# Allegro board WNS_FDM_2V1-1221P2.brd (continued)
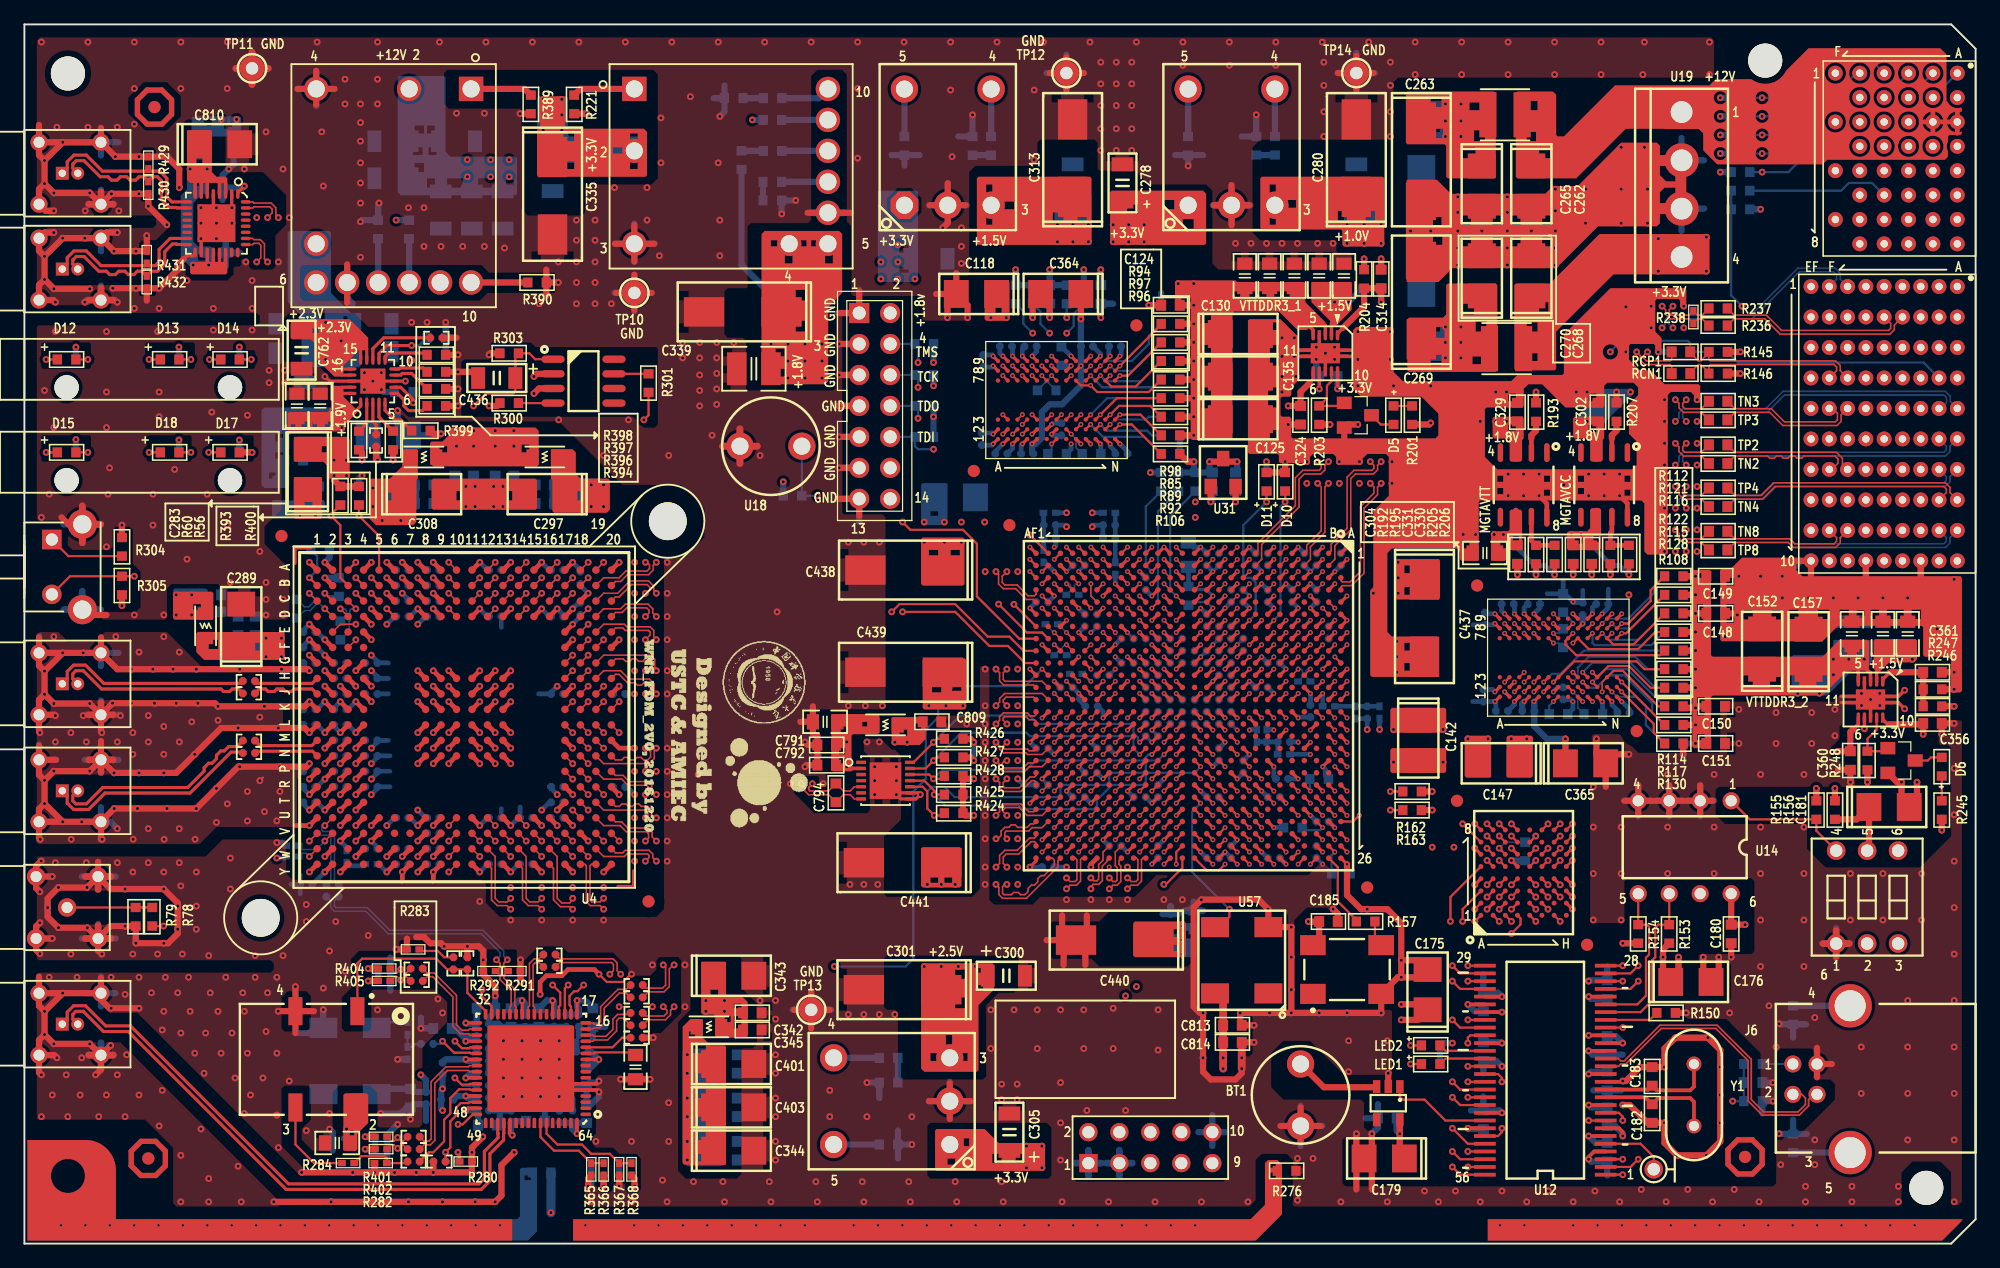
[diagram p0: board, top side]
## Routing (per net, layer and track width the routed paths; a pad name or vN(x,y) marks a point on that pad's centre or on a via; arc(x,y) is an arc through that point) (continued)
  ART03 w0.5: TP14.1 110.54,96.01 ; TP14.1 107.9,96.01 ; TP14.1 109.22,94.69 ; TP14.1 109.22,97.33 ; J14.10 98.46,9.14 ; J14.10 97.41,8.09 ; J14.10 97.41,10.2 ; 58.67,63.98 U18.1 ; U18.1 60.1,65.41 ; U18.1 58.67,66.83 ; U18.1 57.25,65.41 ; 74.46,11.68 U27.2 ; U27.2 77.3,11.68 ; U27.2 75.88,10.26 ; U27.2 75.88,13.11 ; J16.5 7.28,82.47 ; J16.5 6.28,81.47 ; J16.5 5.28,82.47 ; U32.3 51.32,82.01 ; U32.3 50.01,83.31 ; U32.3 48.71,82.01 ; 134.87,35.32 U14.3 ; U14.3 133.87,36.32 ; U14.3 135.88,36.32 ; U14.3 134.87,37.33 ; 6.04,23.98 J4.2 ; J4.2 7.09,25.03 ; J4.2 4.99,25.03 ; J4.2 6.04,26.08 ; 3.25,52 U63.4 ; U63.4 6.25,52 ; U63.4 4.75,53.5 ; TP11.1 18.67,97.71 ; TP11.1 17.35,96.39 ; TP11.1 18.67,95.07 ; TP11.1 19.99,96.39 ; J4.5 7.09,30.11 ; J4.5 4.99,30.11 ; J4.5 6.04,31.16 ; J4.5 6.04,29.06 ; 6.28,89.33 J15.5 ; J15.5 5.28,90.33 ; J15.5 6.28,91.34 ; J15.5 7.28,90.33 ; 6.28,14.46 J11.4 ; J11.4 6.28,16.47 ; J11.4 7.28,15.46 ; J11.4 5.28,15.46 ; U63.3 6.25,59 ; U63.3 4.75,57.49 ; U63.3 3.25,59 ; U63.3 4.75,60.5 ; SW1.1 148.56,25.68 ; SW1.1 149.63,24.61 ; SW1.1 148.56,23.55 ; SW1.1 147.5,24.61 ; 132.33,35.32 U14.4 ; U14.4 131.33,36.32 ; U14.4 132.33,37.33 ; U14.4 133.34,36.32 ; U19.3 137.59,84.89 ; U19.3 135.89,86.59 ; U19.3 135.89,83.18 ; U19.3 134.19,84.89 ; 5.28,48.45 J8.5 ; J8.5 6.28,47.45 ; J8.5 7.28,48.45 ; J8.5 6.28,49.46 ; 5.28,39.68 J9.5 ; J9.5 6.28,38.67 ; J9.5 6.28,40.68 ; J9.5 7.28,39.68 ; U14.2 138.42,36.32 ; U14.2 137.41,37.33 ; U14.2 137.41,35.32 ; U14.2 136.41,36.32 ; 22.62,94.71 U58.3 ; U58.3 25.23,94.71 ; U58.3 23.93,93.4 ; U58.3 23.93,96.01 ; TP12.1 85.45,97.33 ; TP12.1 86.77,96.01 ; TP12.1 85.45,94.69 ; TP12.1 84.12,96.01 ; J11.5 7.28,20.54 ; J11.5 6.28,19.54 ; J11.5 5.28,20.54 ; J11.5 6.28,21.55 ; J8.4 6.28,44.38 ; J8.4 7.28,43.37 ; J8.4 6.28,42.37 ; J8.4 5.28,43.37 ; 147,13.73 J6.4 ; J6.4 148,14.73 ; J6.4 147,15.74 ; 98.98,83.75 U24.2 ; U24.2 97.56,85.17 ; U24.2 100.41,85.17 ; 134.19,88.85 U19.2 135.89,87.15 ; J15.4 6.28,86.26 ; J15.4 7.28,85.25 ; J15.4 5.28,85.25 ; 64.52,17.86 TP13.1 ; TP13.1 64.52,20.5 ; TP13.1 63.2,19.18 ; TP13.1 65.84,19.18 ; J16.4 7.28,77.39 ; J16.4 6.28,78.39 ; J16.4 5.28,77.39 ; 6.28,33.59 J9.4 ; J9.4 7.28,34.6 ; J9.4 6.28,35.6 ; J9.4 5.28,34.6
  ART03 w0.508: J9.3 v2(3.14,34.6) ; J9.3 1.2,33.26 v2(1.3,33.16) ; J9.3 1.2,35.64 v2(1.65,36.09) ; v2(1.65,88.84) 1.2,89.29 J15.6 ; J11.3 2.45,15.46 v2(2.67,15.24) ; J11.3 1.2,16.69 v2(1.65,17.14) ; J11.3 1.2,14.29 1.4,14.1 ; v2(80.14,5.08) v2(76.33,5.08) v2(72.52,5.08) v2(68.71,5.08) v2(64.9,5.08) v2(61.09,5.08) v2(57.28,5.08) v2(54.86,5.08) ; v2(1.65,37.99) 1.2,38.45 J9.6 ; J8.3 1.2,44.6 v2(1.65,45.06) ; J8.3 2.47,43.37 v2(2.54,43.31) ; J8.3 1.2,41.98 v2(1.27,41.91) ; 26.47,77.04 U58.6 26.47,80.97 ; 1.2,21.77 J11.6 ; J11.6 v2(3.14,20.54) ; J11.6 1.2,19.5 v2(1.65,19.05) ; J7.5 v2(66.8,71.25) ; J4.4 v2(2.29,30.11) ; J4.4 0.96,30.96 v2(1.38,31.38) ; J4.4 0.96,29.17 v2(1.27,28.86) ; v2(2.41,84.71) 1.74,84.71 J15.3 1.2,86.48 v2(1.65,86.94) ; J15.6 1.2,91.24 1.52,91.57 ; J15.6 v2(3.14,90.33) ; v2(1.65,79.07) 1.2,78.62 J16.3 2.37,77.39 v2(2.54,77.22) ; J7.7 v2(66.8,68.71) ; J4.3 0.96,24.09 v2(1.27,23.78) ; J4.3 v2(2.29,25.03) ; J4.3 0.96,26.01 v2(1.27,26.32) ; J8.6 1.2,49.71 ; J8.6 v2(3.14,48.45) ; J8.6 1.2,47.41 v2(1.65,46.96) ; J9.6 1.2,41.08 ; J9.6 2.61,39.68 ; U32.6 64.3,84.55 ; 68.45,63.63 v2(66.8,63.63) ; 66.67,61.09 68.45,61.09 68.45,59.18 ; v2(1.65,80.98) 1.2,81.43 J16.6 1.66,82.93 v2(2.41,82.93) ; 68.45,66.17 v2(66.8,66.17) ; XJ3.AB10 155.5,54.43 ; XJ3.CD10 151,54.49 ; 68.45,73.79 v2(66.8,73.79)
  ART08 w0.5: 134.87,35.32 U14.3 ; U14.3 133.87,36.32 ; U14.3 134.87,37.33 ; U14.3 135.88,36.32 ; 6.28,38.67 J9.5 ; J9.5 7.28,39.68 ; J9.5 6.28,40.68 ; J9.5 5.28,39.68 ; TP11.1 19.99,96.39 ; TP11.1 18.67,97.71 ; TP11.1 17.35,96.39 ; TP11.1 18.67,95.07 ; 74.46,11.68 U27.2 ; U27.2 75.88,10.26 ; U27.2 77.3,11.68 ; U27.2 75.88,13.11 ; J4.2 7.09,25.03 ; J4.2 6.04,26.08 ; J4.2 4.99,25.03 ; J4.2 6.04,23.98 ; J9.4 6.28,35.6 ; J9.4 5.28,34.6 ; J9.4 6.28,33.59 ; J9.4 7.28,34.6 ; J8.5 6.28,49.46 ; J8.5 6.28,47.45 ; J8.5 5.28,48.45 ; J8.5 7.28,48.45 ; U14.2 137.41,37.33 ; U14.2 136.41,36.32 ; U14.2 138.42,36.32 ; U14.2 137.41,35.32 ; 6.04,29.06 J4.5 ; J4.5 4.99,30.11 ; J4.5 6.04,31.16 ; J4.5 7.09,30.11 ; U14.4 132.33,37.33 ; U14.4 133.34,36.32 ; U14.4 131.33,36.32 ; U14.4 132.33,35.32 ; 5.28,85.25 J15.4 7.28,85.25 ; 147.5,24.61 SW1.1 ; SW1.1 148.56,25.68 ; SW1.1 149.63,24.61 ; 4.75,57.49 U63.3 ; U63.3 4.75,60.5 ; U63.3 6.25,59 ; U63.3 3.25,59 ; 97.56,85.17 U24.2 ; U24.2 100.41,85.17 ; U24.2 98.98,83.75 ; U63.4 6.25,52 ; U63.4 4.75,53.5 ; U63.4 3.25,52 ; 64.52,17.86 TP13.1 ; TP13.1 63.2,19.18 ; TP13.1 65.84,19.18 ; TP13.1 64.52,20.5 ; J6.4 147,15.74 ; J6.4 148,14.73 ; J6.4 147,13.73 ; 5.28,15.46 J11.4 ; J11.4 6.28,14.46 ; J11.4 6.28,16.47 ; J11.4 7.28,15.46 ; 6.28,42.37 J8.4 ; J8.4 5.28,43.37 ; J8.4 7.28,43.37 ; J8.4 6.28,44.38 ; 5.28,20.54 J11.5 ; J11.5 6.28,21.55 ; J11.5 6.28,19.54 ; J11.5 7.28,20.54
  ART08 w0.508: J14.10 98.81,9.14 ; J11.6 1.2,19.5 v2(1.65,19.05) ; J11.6 1.2,21.65 ; J11.6 v2(3.14,20.54) ; J16.4 5.13,77.39 v2(4.95,77.22) ; J16.4 6.28,78.81 ; J16.4 7.45,77.39 v2(7.62,77.22) ; U19.2 133.91,88.85 ; U19.2 137.87,88.85 ; U19.2 U19.3 ; J7.7 v2(66.8,68.71) ; J8.3 1.2,41.98 v2(1.27,41.91) ; J8.3 2.47,43.37 v2(2.54,43.31) ; J8.3 1.2,44.6 v2(1.65,45.06) ; J4.4 0.96,30.96 v2(1.38,31.38) ; J4.4 v2(2.29,30.11) ; J4.4 0.96,29.17 v2(1.27,28.86) ; 68.45,73.79 v2(66.8,73.79) ; v2(2.67,15.24) 2.45,15.46 J11.3 ; J15.4 6.82,84.71 v2(7.75,84.71) ; J15.4 5.74,84.71 v2(4.99,84.71) ; J15.4 6.28,86.43 ; J4.3 v2(2.29,25.03) ; J4.3 0.96,24.09 v2(1.27,23.78) ; J4.3 0.96,26.01 v2(1.27,26.32) ; J15.5 6.28,89.21 ; J15.5 5.05,90.33 ; J15.5 7.33,90.33 ; J15.5 6.28,91.51 ; TP12.1 85.45,97.31 ; TP12.1 83.82,96.01 ; TP12.1 87,96.01 ; v2(1.65,88.84) 1.2,89.29 J15.6 ; U58.3 23.93,96.09 ; U58.3 25.37,94.71 ; U58.3 23.93,93.16 ; U58.3 22.13,94.71 ; J7.5 v2(66.8,71.25) ; v2(1.65,46.96) 1.2,47.41 J8.6 ; J16.5 6.74,82.93 v2(7.62,82.93) ; J16.5 6.28,81.21 ; J16.5 5.16,82.47 ; J9.3 1.2,33.16 v2(1.3,33.16) ; J9.3 v2(3.14,34.6) ; J9.3 1.2,35.64 v2(1.65,36.09) ; J8.6 v2(3.14,48.45) ; J8.6 1.2,49.84 ; v2(1.65,37.99) 1.2,38.45 J9.6 ; J11.3 1.2,16.69 v2(1.65,17.14) ; J11.3 1.2,14.04 v2(1.4,13.84) ; v2(1.65,79.07) 1.2,78.62 J16.3 2.37,77.39 v2(2.54,77.22) ; v2(1.65,80.98) 1.2,81.43 J16.6 1.66,82.93 v2(2.41,82.93) ; v2(30.99,55.88) 30.99,56.9 ; TP14.1 109.22,97.54 ; TP14.1 107.82,96.01 ; TP14.1 110.74,96.01 ; J9.6 2.59,39.68 ; J9.6 1.2,41.08 ; J15.6 v2(3.14,90.33) ; J15.6 1.2,91.62 ; U32.3 50.01,83.59 ; U32.3 48.61,82.01 ; U32.3 51.47,82.01 ; v2(1.65,86.94) 1.2,86.48 J15.3 1.74,84.71 v2(2.41,84.71) ; v2(39.88,55.88) 39.88,57.02 ; U19.3 133.91,84.89 ; U19.3 137.72,84.89 ; v2(48.77,55.88) 47.5,57.15 ; 66.93,61.09 68.45,61.09 68.45,59.82 ; 22.23,55.88 v2(23.37,55.88) 23.37,57.02 ; XJ3.AB10 155.5,54.53 ; 26.47,77.4 U58.6 26.47,80.32 ; v2(33.53,55.88) 33.53,57.02 ; v2(28.45,55.88) 28.45,56.9 ; 68.45,63.63 v2(66.8,63.63) ; U32.6 64.04,84.55 ; XJ3.CD10 151,54.49 ; v2(44.96,55.88) 44.96,57.02 ; 68.45,66.17 v2(66.8,66.17)
  ART10 w0.381: v1(130.98,44.46) 131.95,44.46 ; v1(130.98,51.66) 131.92,51.66
  ART10 w0.5: 67.32,76.33 J7.1 ; J7.1 68.45,77.46 ; J7.1 69.58,76.33 ; J7.1 68.45,75.2 ; 67.32,66.17 68.45,66.17 ; 68.45,66.17 69.58,66.17 ; 68.45,66.17 68.45,67.3 ; 68.45,66.17 68.45,65.04 ; 147.5,24.61 SW1.1 ; SW1.1 149.63,24.61 ; SW1.1 148.56,25.68 ; SW1.1 148.56,23.55 ; 6.04,29.06 J4.5 ; J4.5 4.99,30.11 ; J4.5 7.09,30.11 ; J4.5 6.04,31.16 ; J14.10 97.41,10.2 ; J14.10 96.35,9.14 ; J14.10 98.46,9.14 ; J14.10 97.41,8.09 ; J8.5 7.28,48.45 ; J8.5 6.28,49.46 ; J8.5 5.28,48.45 ; J8.5 6.28,47.45 ; U63.3 6.25,59 ; U63.3 4.75,57.49 ; U63.3 3.25,59 ; U63.3 4.75,60.5 ; 6.28,89.33 J15.5 ; J15.5 5.28,90.33 ; J15.5 6.28,91.34 ; J15.5 7.28,90.33 ; BT1.2 106.07,9.65 ; BT1.2 103.23,9.65 ; BT1.2 104.65,11.07 ; BT1.2 104.65,8.23 ; J7.5 68.45,72.38 ; J7.5 67.32,71.25 ; J7.5 68.45,70.12 ; J7.5 69.58,71.25 ; 89.79,5.55 J14.3 ; J14.3 89.79,7.66 ; J14.3 88.73,6.6 ; J14.3 90.84,6.6 ; J9.4 6.28,35.6 ; J9.4 6.28,33.59 ; J9.4 5.28,34.6 ; J9.4 7.28,34.6 ; 68.45,63.63 69.58,63.63 ; 68.45,63.63 67.32,63.63 ; 68.45,63.63 68.45,64.76 ; U27.2 77.3,11.68 ; U27.2 74.46,11.68 ; U27.2 75.88,13.11 ; U27.2 75.88,10.26 ; 134.87,35.32 U14.3 ; U14.3 135.88,36.32 ; U14.3 134.87,37.33 ; U14.3 133.87,36.32 ; 5.28,43.37 J8.4 ; J8.4 7.28,43.37 ; J8.4 6.28,44.38 ; J8.4 6.28,42.37 ; U63.4 6.25,52 ; U63.4 3.25,52 ; U63.4 4.75,53.5 ; 68.45,73.79 69.58,73.79 ; 68.45,73.79 68.45,72.66 ; 68.45,73.79 68.45,74.92 ; 68.45,73.79 67.32,73.79 ; TP11.1 19.99,96.39 ; TP11.1 17.35,96.39 ; TP11.1 18.67,97.71 ; TP11.1 18.67,95.07 ; 137.41,35.32 U14.2 ; U14.2 137.41,37.33 ; U14.2 138.42,36.32 ; U14.2 136.41,36.32 ; J6.4 148,14.73 ; J6.4 147,13.73 ; J6.4 147,15.74 ; 5.28,82.47 J16.5 ; J16.5 7.28,82.47 ; J16.5 6.28,81.47 ; J7.7 69.58,68.71 ; J7.7 68.45,69.84 ; J7.7 68.45,67.58 ; J7.7 67.32,68.71 ; TP14.1 110.54,96.01 ; TP14.1 109.22,94.69 ; TP14.1 109.22,97.33 ; TP14.1 107.9,96.01 ; J9.5 6.28,40.68 ; J9.5 6.28,38.67 ; J9.5 7.28,39.68 ; J9.5 5.28,39.68 ; 86.19,6.6 J14.1 ; J14.1 88.3,6.6 ; J14.1 87.25,5.55 ; J14.1 87.25,7.66 ; 6.04,23.98 J4.2 ; J4.2 6.04,26.08 ; J4.2 4.99,25.03 ; J4.2 7.09,25.03 ; U14.4 132.33,37.33 ; U14.4 132.33,35.32 ; U14.4 131.33,36.32 ; U14.4 133.34,36.32 ; J16.4 7.28,77.39 ; J16.4 5.28,77.39 ; J16.4 6.28,78.39 ; U18.1 58.67,66.83 ; U18.1 57.25,65.41 ; U18.1 60.1,65.41 ; 85.45,94.69 TP12.1 ; TP12.1 85.45,97.33 ; TP12.1 86.77,96.01 ; TP12.1 84.12,96.01 ; 5.28,85.25 J15.4 ; J15.4 6.28,86.26 ; J15.4 7.28,85.25 ; 5.28,20.54 J11.5 ; J11.5 6.28,19.54 ; J11.5 6.28,21.55 ; J11.5 7.28,20.54 ; 5.28,15.46 J11.4 ; J11.4 6.28,14.46 ; J11.4 7.28,15.46 ; J11.4 6.28,16.47
  ART10 w0.508: 64.35,84.55 U32.6 67.53,84.55 ; v2(1.65,86.94) 1.2,86.48 J15.3 1.74,84.71 v2(2.41,84.71) ; J11.6 1.2,19.5 v2(1.65,19.05) ; J11.6 1.2,21.65 ; J11.6 v2(3.14,20.54) ; U19.2 137.74,88.85 ; U19.2 133.93,88.85 ; U19.2 135.89,87 ; J4.4 0.96,30.96 v2(1.38,31.38) ; J4.4 v2(2.29,30.11) ; J4.4 0.96,29.17 v2(1.27,28.86) ; v2(1.4,13.84) 1.2,14.04 J11.3 ; J15.6 1.2,91.38 ; J15.6 v2(3.14,90.33) ; J15.6 1.2,89.29 v2(1.65,88.84) ; v2(1.65,46.96) 1.2,47.41 J8.6 ; U24.2 98.98,86.94 ; U24.2 98.98,83.49 ; U24.2 100.54,85.17 ; U24.2 97.23,85.17 ; TP10.1 50.01,76.48 ; TP10.1 51.69,77.98 ; TP10.1 48.39,77.98 ; TP10.1 50.01,79.48 ; J8.6 1.2,49.84 ; J8.6 v2(3.14,48.45) ; U28.2 75.72,83.72 v2(75.31,83.31) ; U28.2 74.12,85.17 ; U28.2 77.3,85.17 ; U28.2 75.72,86.97 ; U58.3 23.93,93.29 ; U58.3 23.93,96.21 ; U58.3 25.49,94.71 ; U58.3 22.39,94.71 ; U32.3 48.48,82.01 ; U32.3 50.01,83.54 ; U32.3 51.53,82.01 ; U32.3 50.01,80.67 ; J11.3 1.2,16.69 v2(1.65,17.14) ; J11.3 2.45,15.46 v2(2.67,15.24) ; J8.3 1.2,44.6 v2(1.65,45.06) ; J8.3 2.47,43.37 v2(2.54,43.31) ; J8.3 1.2,41.98 v2(1.27,41.91) ; J9.6 1.2,38.45 v2(1.65,37.99) ; J9.6 1.2,40.96 ; J9.6 2.49,39.68 ; v2(1.3,33.16) 1.2,33.16 J9.3 ; XJ3.AB10 155.5,54.69 ; v2(1.65,80.98) 1.2,81.43 J16.6 1.66,82.93 v2(2.41,82.93) ; 146.5,54.79 XJ3.EF10 145.04,56 ; XJ3.CD10 151,54.61 ; U19.3 134.06,84.89 ; U19.3 137.62,84.89 ; U19.3 135.89,86.61 ; J9.3 1.2,35.64 v2(1.65,36.09) ; J9.3 v2(3.14,34.6) ; v2(1.27,23.78) 0.96,24.09 J4.3 ; J4.3 v2(2.29,25.03) ; J4.3 0.96,26.01 v2(1.27,26.32) ; v2(2.54,77.22) 2.37,77.39 J16.3 1.2,78.62 v2(1.65,79.07) ; 26.47,77.02 U58.6 26.47,80.46 ; XJ3.EF9 145.24,58.5
  BOTTOM w0.254: U15.K9 v1(99.45,49.12) C195.1 ; v1(98.45,46.12) U15.L12 ; U15.T13 v1(92.45,45.12) ; v1(98.45,48.12) U15.L10 ; U15.U8 v1(91.45,50.12) ; v1(97.45,45.12) U15.M13 ; U15.N14 v1(96.45,43.12) ; U15.R10 v1(93.45,48.12) ; v1(107.45,51.12) U15.B7 ; U15.M9 v1(96.45,48.12) U15.N10 ; v1(100.45,53.12) C397.2 ; C245.1 92.95,41.62 v1(92.45,42.12) U15.T15 ; U15.M15 v1(97.45,42.12) ; v1(88.45,52.12) U15.AA6 ; C214.1 v1(89.45,47.12) ; v1(99.45,47.12) U15.K11 ; v1(99.45,45.12) U15.K13 ; U15.T11 v1(92.45,47.12) ; v1(91.45,43.12) U15.U14 ; U15.R8 v1(93.45,50.12) ; U15.L14 v1(98.45,43.12) ; v1(97.45,51.12) U15.M7 ; v1(94.45,42.12) U15.P15 ; U15.P9 v1(94.45,48.12) ; U15.P13 v1(94.45,45.12) ; U15.U12 v1(91.45,46.12) ; v1(106.45,57.12) U15.C1 ; v1(98.45,57.12) U15.L1 ; v1(97.45,49.12) C201.1 ; C199.1 v1(99.45,42.12) ; v1(86.45,55.12) C391.1 ; v1(99.45,54.12) U15.K4 ; v1(93.45,43.12) U15.R14 ; v1(87.45,50.12) C222.1 ; v1(102.45,57.12) U15.G1 ; U15.U10 v1(91.45,48.12)
  BOTTOM w0.305: C210.1 v1(106.45,31.12)
  BOTTOM w0.381: R126.1 126.18,54.43 ; R126.1 126.33,53.31 v1(127,52.64) ; R126.1 124.87,53.31 ; v2(25.91,33.02) 26.42,32.51 R58.2 ; C63.2 43.05,36.2 v2(42.42,35.56) ; v2(23.37,44.45) 22.87,43.95 C19.2 ; v2(32.26,31.75) U4.W8 C73.2 ; C53.2 39.24,31.11 v2(39.88,30.48) 40.51,31.11 C51.2 ; C69.2 34.03,52.84 v2(33.53,53.34) ; v1(129.38,44.46) 129.41,44.42 R124.1 ; C49.2 45.59,55.24 v2(44.96,55.88) U4.A17 C47.2 ; v2(24.64,49.53) 24,50.16 C22.2 ; C27.2 30.35,51.44 v2(29.72,50.8) ; v1(104.45,43.12) 104.52,43.19 C381.1 ; R100.1 88.27,65.56 v1(88.23,65.59) ; C29.2 31.49,30.98 v2(30.99,30.48) ; 42.16,45.09 C50.2 43.19,45.22 v2(43.69,45.72) ; v2(28.45,36.83) 28.95,37.33 C33.2 29.97,37.47 ; C136.1 88.23,72.99 v1(88.23,72.79) ; C23.2 22.61,28.71 22.61,28.7 ; C23.2 21.84,29.46 ; C23.2 22.61,30.22 22.61,30.23 ; v2(20.7,32.89) 21.21,32.89 R52.2 ; v2(32.26,50.8) 32.89,51.44 C25.2 ; v1(99.45,38.12) C221.1 ; v1(108.45,31.12) 108.45,30.61 R159.1 ; C59.2 44.19,51.57 v2(43.69,52.07) ; v2(28.45,46.99) 28.95,46.49 C28.2 29.84,46.35 ; 29.84,47.62 C54.2 28.95,47.76 v2(28.45,48.26) ; v2(27.18,41.91) 26.54,42.55 C37.2 ; C250.1 v2(85.45,30.88) ; C111.1 79.33,71.89 v1(79.43,71.99) ; R416.2 110.1,43.05 C776.1 v2(110.11,42.16) ; 29.97,38.73 C44.2 28.95,38.6 v2(28.45,38.1) ; C239.1 v1(98.45,32.12) U15.L26 ; C56.2 26.41,39.87 v2(25.91,39.37) ; C32.2 U4.J2 v2(24.64,45.72) ; C36.2 U4.H3 v2(27.18,45.72) ; C120.1 90.46,64.96 v1(89.83,65.59) ; C20.2 22.87,42.41 v2(23.37,41.91) ; C213.1 v1(86.45,45.12) 86.45,44.62 C219.1 ; 40.65,35.81 C64.2 40.51,34.92 v2(39.88,34.29) 39.24,34.92 C66.2 39.11,35.68 ; C117.1 84.33,67.29 v1(84.23,67.19) ; v1(122.18,51.66) 122.18,52.41 C144.1 ; C72.2 34.03,33.52 v2(33.53,33.02) ; v1(85.83,72.79) 85.07,73.55 R102.1 ; v1(101.45,54.12) C327.2 ; C41.2 30.35,34.92 v2(29.72,34.29) ; v1(88.45,38.12) C208.1 ; v1(93.45,33.12) C233.1 ; C396.2 v1(100.45,57.12) ; C58.2 U4.G2 v2(24.64,48.26) 24,48.9 C38.2 ; C74.2 34.03,30.98 v2(33.53,30.48) ; v2(28.45,40.64) 28.95,41.14 C21.2 29.84,41.27 ; v1(81.83,72.79) 81.83,73.42 C113.1 ; v1(99.45,51.12) U15.K7 ; C248.1 v1(90.45,32.12) ; v2(87.57,58.8) 87.69,58.93 C774.1 88.44,58.92 R409.2 ; v1(129.38,51.66) 129.88,52.16 C146.1 129.88,53.68 ; v1(81.83,65.59) 81.73,65.49 C137.1 ; v1(101.45,32.12) C370.1 ; C43.2 24,36.2 v2(24.64,35.56) ; v2(85.45,58.8) 85.33,58.93 C775.1 84.58,58.92 R413.2 84.58,57.25 v1(84.45,57.12) ; C777.1 104.43,41.15 v1(104.45,41.12) ; v1(103.45,47.12) C377.1 ; C114.1 89.93,72.89 v1(89.83,72.79) ; v1(104.45,57.12) C395.2 ; v1(100.45,46.12) C385.1 ; C39.2 28.95,32.52 v2(28.45,33.02) ; v2(23.37,39.37) 22.87,38.87 C55.2 ; R125.1 126.98,43.86 v1(126.98,44.46) 126.81,44.63 C145.1 ; C71.2 34.03,55.38 v2(33.53,55.88) ; v2(30.99,31.75) 31.49,32.25 C24.2 ; C35.2 U4.P2 v2(24.64,38.1) 24,37.47 C30.2 ; C223.1 81.95,37.62 v2(81.45,38.12) ; v2(39.88,52.07) 39.24,51.44 C67.2 39.11,50.55 ; C209.1 v1(84.45,40.12) ; C70.2 U4.B8 v2(32.26,54.61) ; R419.2 102.41,42.16 v1(102.45,42.12) ; v2(24.64,40.64) U4.M2 C31.2 ; v1(120.58,50.86) 120.48,50.76 C140.1 118.79,50.76 ; v1(122.98,51.66) 122.98,52.16 C138.1 ; C65.2 U4.U17 v2(44.96,34.29) ; C61.2 39.24,55.24 v2(39.88,55.88) ; R101.1 85.83,65.16 v1(85.83,65.59) ; v2(24.64,36.83) U4.R2 C34.2 ; v1(105.45,54.12) C325.2 ; v2(30.99,54.61) 31.49,54.11 C42.2 ; C251.1 v1(92.45,36.12) U15.T21 ; v2(23.37,46.99) 22.87,47.49 C60.2 ; U15.F21 v1(103.45,36.12) ; C371.1 102.45,38.29 v1(102.45,39.12) ; C119.1 79.6,64.96 v1(80.23,65.59) ; v1(87.45,41.12) C368.1 ; C52.2 43.19,37.33 v2(43.69,36.83) ; v1(108.45,57.12) U15.A1 ; C62.2 49.4,37.47 v2(50.04,36.83) ; C48.2 45.59,51.44 v2(44.96,50.8) ; v2(27.18,44.45) 26.54,43.81 C57.2 ; 118.75,44.46 C139.1 v1(120.58,44.46) 120.66,44.38 C141.1 ; C163.1 127.78,53.58 ; v1(81.03,72.79) 81.03,73.54 C112.1 ; C206.1 v1(89.45,48.12) ; C18.2 29.84,45.09 ; C143.1 131.63,43.81 v1(130.98,44.46) ; 29.97,40.01 C45.2 28.95,39.87 v2(28.45,39.37) ; C369.1 v1(96.45,37.12) ; U15.B23 v1(107.45,34.12) ; C341.1 95.85,57.12 v1(96.45,57.12) C318.2 ; C46.2 32.89,34.92 v2(32.26,35.56) ; v1(79.43,65.59) 79.33,65.49 C116.1 ; v2(30.99,55.88) 31.49,55.38 C26.2 ; v1(92.45,53.12) C374.1 ; v2(30.99,53.34) 31.49,52.84 C40.2 ; v1(103.45,54.12) C326.2 ; C380.1 v1(84.45,53.12) ; v1(85.45,37.12) C249.1 ; v1(98.45,41.12) C218.1 ; C68.2 v2(50.04,45.09) ; C207.1 v1(89.45,49.12)
  BOTTOM w0.508: R407.2 v2(24.64,54.61) ; v2(34.16,66.42) 34.04,66.29 C286.2 30.61,67.18 v2(30.61,68.33) ; U28.2 75.72,86.97 ; U28.2 77.3,85.17 ; U28.2 74.22,85.17 ; U28.2 75.72,83.72 v2(75.31,83.31) ; U32.3 48.42,82.01 ; U32.3 50.01,80.54 ; U32.3 50.01,83.67 ; U32.3 51.65,82.01 ; U24.2 98.98,86.82 ; U24.2 100.54,85.17 ; U24.2 98.98,83.64 ; U24.2 97.46,85.17 ; 142.51,10.69 R147.1 v2(143.38,11.68) ; C95.1 42.21,17.79 C422.1 C420.1 44.45,17.02 ; C95.1 41.07,17.78 C450.2 41.05,17.78 C80.2 ; C95.1 42.2,16.76 v2(42.33,16.64) ; J14.10 98.55,9.14 ; J14.10 97.41,8 ; J14.10 96.27,9.14 ; J14.10 97.41,10.54 ; v2(39.28,12.06) 39.15,11.94 C418.1 ; J6.4 147,15.95 ; J6.4 147,13.66 ; J6.4 147.96,14.73 ; v2(1.65,19.05) 1.2,19.5 J11.6 ; U19.3 135.89,86.61 ; U19.3 135.89,83.06 ; U19.3 134.06,84.89 ; U19.3 137.74,84.89 ; R278.2 146.15,8.99 ; R278.2 143.92,8.99 v2(143.89,9.02) ; R278.2 145.03,10.16 ; v2(88.27,75.95) C123.1 89.28,77.09 ; 29.75,6.95 C764.2 29.76,7.76 R403.2 29.76,8.93 v2(30.61,9.78) ; 151,54.36 151,54.36 XJ3.CD10 ; J11.3 2.45,15.46 v2(2.67,15.24) ; J11.3 1.2,14.04 v2(1.4,13.84) ; J11.3 1.2,16.69 v2(1.65,17.14) ; v2(1.27,28.86) 0.96,29.17 J4.4 ; J9.3 1.2,35.64 v2(1.65,36.09) ; J9.3 v2(3.14,34.6) ; J9.3 1.2,33.16 v2(1.3,33.16) ; U58.3 25.37,94.71 ; U58.3 23.93,96.19 ; U58.3 22.51,94.71 ; U58.3 23.93,93.29 ; C80.2 39.92,16.93 ; C80.2 39.12,17.78 38.86,18.03 C430.1 38.09,18.53 38.61,19.05 C96.1 v2(38.61,20.32) ; C79.2 46.35,13.21 46.99,13.21 v2(47.12,13.34) ; C79.2 44.96,12.95 ; C79.2 C99.1 46.48,11.43 47.12,12.06 v2(47.12,12.45) ; J4.2 4.71,25.03 ; J4.2 7.48,25.03 ; J4.2 6.04,24.06 v2(6.35,23.75) ; J4.2 6.04,26.22 ; 68.45,59.18 68.45,61.09 66.67,61.09 ; U19.2 137.72,88.85 ; U19.2 135.89,87.12 ; U19.2 134.16,88.85 ; U19.2 135.89,90.68 ; v2(42.33,12.06) 42.67,11.72 C100.1 ; J9.5 7.72,39.68 ; J9.5 6.28,38.6 ; J9.5 6.28,40.87 ; J9.5 4.95,39.68 ; v2(1.65,80.98) 1.2,81.43 J16.6 1.66,82.93 v2(2.41,82.93) ; TP13.1 64.52,20.7 ; TP13.1 64.52,17.78 ; TP13.1 62.99,19.18 ; TP13.1 66.17,19.18 ; v2(39.28,16.64) 38.9,17.02 C431.1 ; TP14.1 107.82,96.01 ; TP14.1 109.22,97.66 ; TP14.1 109.22,94.61 ; TP14.1 110.74,96.01 ; TP10.1 50.01,79.4 ; TP10.1 50.01,76.48 ; TP10.1 48.39,77.98 ; TP10.1 51.44,77.98 ; TP12.1 86.87,96.01 ; TP12.1 85.45,94.51 ; TP12.1 85.45,97.51 ; TP12.1 83.82,96.01 ; 47.62,17.78 C93.1 46.61,16.89 ; C812.2 16.51,80.14 ; C812.2 16.51,82.42 ; C812.2 17.65,81.28 ; U14.2 137.41,35.05 ; U14.2 138.56,36.32 ; U14.2 137.41,37.59 ; U14.2 136.4,36.32 ; U14.3 136.02,36.32 ; U14.3 134.87,37.59 ; U14.3 134.87,35.05 ; U14.3 133.86,36.32 ; 32.51,18.54 v2(32.51,17.65) C97.1 ; C163.1 127.7,52.64 v1(127,52.64) ; J15.6 1.2,89.29 v2(1.65,88.84) ; J15.6 1.2,91.62 ; J15.6 v2(3.14,90.33) ; 32.93,10.07 C424.1 31.92,11.44 C98.1 ; R299.2 v2(133.99,73.14) ; 109.98,10.29 C178.2 ; C178.2 111,9.53 v2(110.49,9.02) ; C178.2 111,11.43 ; v2(27.56,83.82) 27.69,83.95 R388.2 29.01,85.27 v2(29.08,85.34) ; J4.4 0.96,30.96 v2(1.38,31.38) ; J4.4 v2(2.29,30.11) ; J15.5 7.72,90.33 ; J15.5 4.95,90.33 ; J15.5 6.28,91.52 ; J15.5 6.28,89.25 ; J16.4 7.45,77.39 v2(7.62,77.22) ; J16.4 6.28,78.58 ; J16.4 5.13,77.39 v2(4.95,77.22) ; v2(2.41,84.71) 1.74,84.71 J15.3 1.2,86.48 v2(1.65,86.94) ; 68.45,66.17 v2(66.8,66.17) ; R198.2 71.12,89.28 ; R198.2 72.16,88.42 ; R198.2 73.41,89.28 ; v2(7.62,34.04) 7.06,34.6 J9.4 ; R224.2 56.52,93.95 ; R224.2 57.4,92.84 v2(57.02,92.46) ; R224.2 57.4,95 ; R186.2 94.36,89.28 ; R186.2 96.65,89.28 ; R186.2 v2(95.43,88.39) ; v2(7.87,43.31) 7.81,43.37 J8.4 ; R133.2 v2(142.37,84.84) ; R152.2 143.94,17.98 v2(143.89,18.03) ; R152.2 145.03,16.89 ; R152.2 146.1,17.98 ; R392.2 34.54,73.15 ; R392.2 v2(34.54,75.56) ; R392.2 35.43,74.3 ; U14.4 131.32,36.32 ; U14.4 132.33,37.59 ; U14.4 132.33,35.05 ; U14.4 133.48,36.32 ; v2(62.1,84.45) 62.09,84.47 R222.2 v2(63.25,85.56) ; v2(121.16,14.54) 120.71,14.99 C173.2 119.63,13.97 ; C407.1 38.99,10.92 38.99,9.97 C94.1 ; v2(29.27,70.04) 29.46,69.85 R395.2 ; v2(97.18,64.14) 97.18,63.48 C320.2 R171.1 ; R174.1 R171.1 ; R171.1 95.91,63.35 v2(95.91,64.14) ; J9.6 1.2,38.45 v2(1.65,37.99) ; J9.6 2.59,39.68 ; J9.6 1.2,40.95 ; J8.6 1.2,47.41 v2(1.65,46.96) ; J8.6 v2(3.14,48.45) ; J8.6 1.2,49.84 ; SW1.1 147.42,24.61 ; SW1.1 148.56,23.39 ; SW1.1 148.56,25.88 ; SW1.1 149.71,24.61 ; v2(2.54,77.22) 2.37,77.39 J16.3 1.2,78.62 v2(1.65,79.07) ; J8.4 4.95,43.37 ; J8.4 6.28,41.98 v2(6.35,41.91) ; J8.4 6.28,44.56 ; 66.67,76.33 J7.1 68.45,78.23 ; C174.2 130.43,9.65 131.06,9.02 v2(131.06,8.83) ; J8.5 7.72,48.45 ; J8.5 6.28,47.37 ; J8.5 6.28,49.64 ; J8.5 4.95,48.45 ; J16.5 6.28,81.39 ; J16.5 v2(4.95,82.47) ; J16.5 6.74,82.93 v2(7.62,82.93) ; C98.1 v2(31.66,10.2) ; C98.1 31.37,11.18 30.86,10.67 v2(29.21,10.67) ; J7.7 v2(66.8,68.71) ; J8.3 1.2,44.6 v2(1.65,45.06) ; J8.3 1.2,41.98 v2(1.27,41.91) ; J8.3 2.47,43.37 v2(2.54,43.31) ; J4.5 7.48,30.11 ; J4.5 4.71,30.11 ; J4.5 6.04,29.03 ; J4.5 6.04,31.3 ; v2(121.16,20.26) 120.84,20.57 C169.2 119.63,22.1 ; C122.1 v2(84.07,75.95) ; C811.2 16.26,85.6 ; C811.2 16.26,87.63 v2(16.76,88.14) 17.14,88.52 C806.2 18.16,89.66 ; C811.2 17.91,86.61 v2(18.03,86.74) ; U27.2 75.88,13.27 ; U27.2 75.88,10.22 ; U27.2 74.17,11.68 ; U27.2 77.6,11.68 ; 129.79,5.59 C172.2 128.46,6.73 v2(128.27,6.92) ; J11.5 4.95,20.54 ; J11.5 6.28,21.91 ; J11.5 6.28,19.46 ; J11.5 7.46,20.54 ; XJ3.AB10 155.5,54.43 ; 30,23.46 C767.2 30,21.55 R406.2 30.01,20.74 ; v2(128.27,15.81) 128.59,15.49 C168.2 131.06,15.49 ; C170.2 120.97,10.92 v2(121.16,10.73) ; C170.2 119.63,12.06 ; C170.2 118.62,10.92 ; v1(122.98,44.46) 122.82,44.29 C164.1 ; v2(101.02,92.58) R188.2 99.82,90.81 ; J9.4 6.28,33.16 v2(6.38,33.16) ; J9.4 4.95,34.6 ; J9.4 6.28,35.79 ; 48.77,6.48 48.78,6.47 C427.1 48.78,4.71 v2(48.77,4.7) ; 130.94,12.57 C167.2 128.65,12.57 ; J11.6 1.2,21.9 ; J11.6 v2(3.14,20.54) ; v2(1.27,23.78) 0.96,24.09 J4.3 ; R194.2 71.63,6.99 ; R194.2 71.63,9.27 ; R194.2 v2(72.77,8.13) ; C406.1 44.93,11.91 ; 68.45,63.63 v2(66.8,63.63) ; v2(92.2,76.96) C124.1 93.22,77.98 ; J4.3 0.96,26.01 v2(1.27,26.32) ; J4.3 v2(2.29,25.03) ; C409.1 43.88,12.04 v2(43.85,12.06) ; v2(105.94,72.53) 105.94,71.34 C315.2 ; 26.47,80.21 U58.6 26.47,77.54 26.92,77.09 ; 146.5,54.55 XJ3.EF10 145.66,56 144.78,55.12 ; v2(77.75,92.58) R200.2 76.58,90.81 ; C426.2 25.28,7.63 ; C426.2 25.28,9.14 v2(25.03,9.4) ; C426.2 24.38,8.64 ; 38.86,16 C416.1 C448.2 C423.1 38.86,13.97 ; 22.23,17.27 24.09,17.27 U6.2 24.51,17.72 v2(24.51,19.19) ; 39.92,11.72 C449.2 39,10.91 ; 38.9,12.95 C415.2 ; J7.5 v2(66.8,71.25) ; C82.2 v2(34.29,12.7) 34.17,12.58 C76.2 34.17,11.04 v2(34.29,10.92) ; 70.1,11.94 R197.2 v2(69.09,13.21) ; C332.2 99.44,63.37 v2(99.44,64.14) ; BT1.2 104.65,11.3 ; BT1.2 104.65,8 ; BT1.2 106.43,9.65 ; BT1.2 103.12,9.65 ; 68.45,73.79 v2(66.8,73.79) ; 45.26,16.59 C75.2 44.07,15.75 ; R281.2 v2(30.61,15.11) ; v2(46.23,4.7) 46.49,4.96 C447.2 46.49,6.47 46.48,6.48 ; 129.79,22.73 C171.2 128.33,21.59 v2(128.27,21.53) ; J15.4 6.28,86.44 ; C414.1 45.47,17.02 ; C177.1 v2(143.38,13.21)